# KiCad board digital.kicad_pcb (continued)
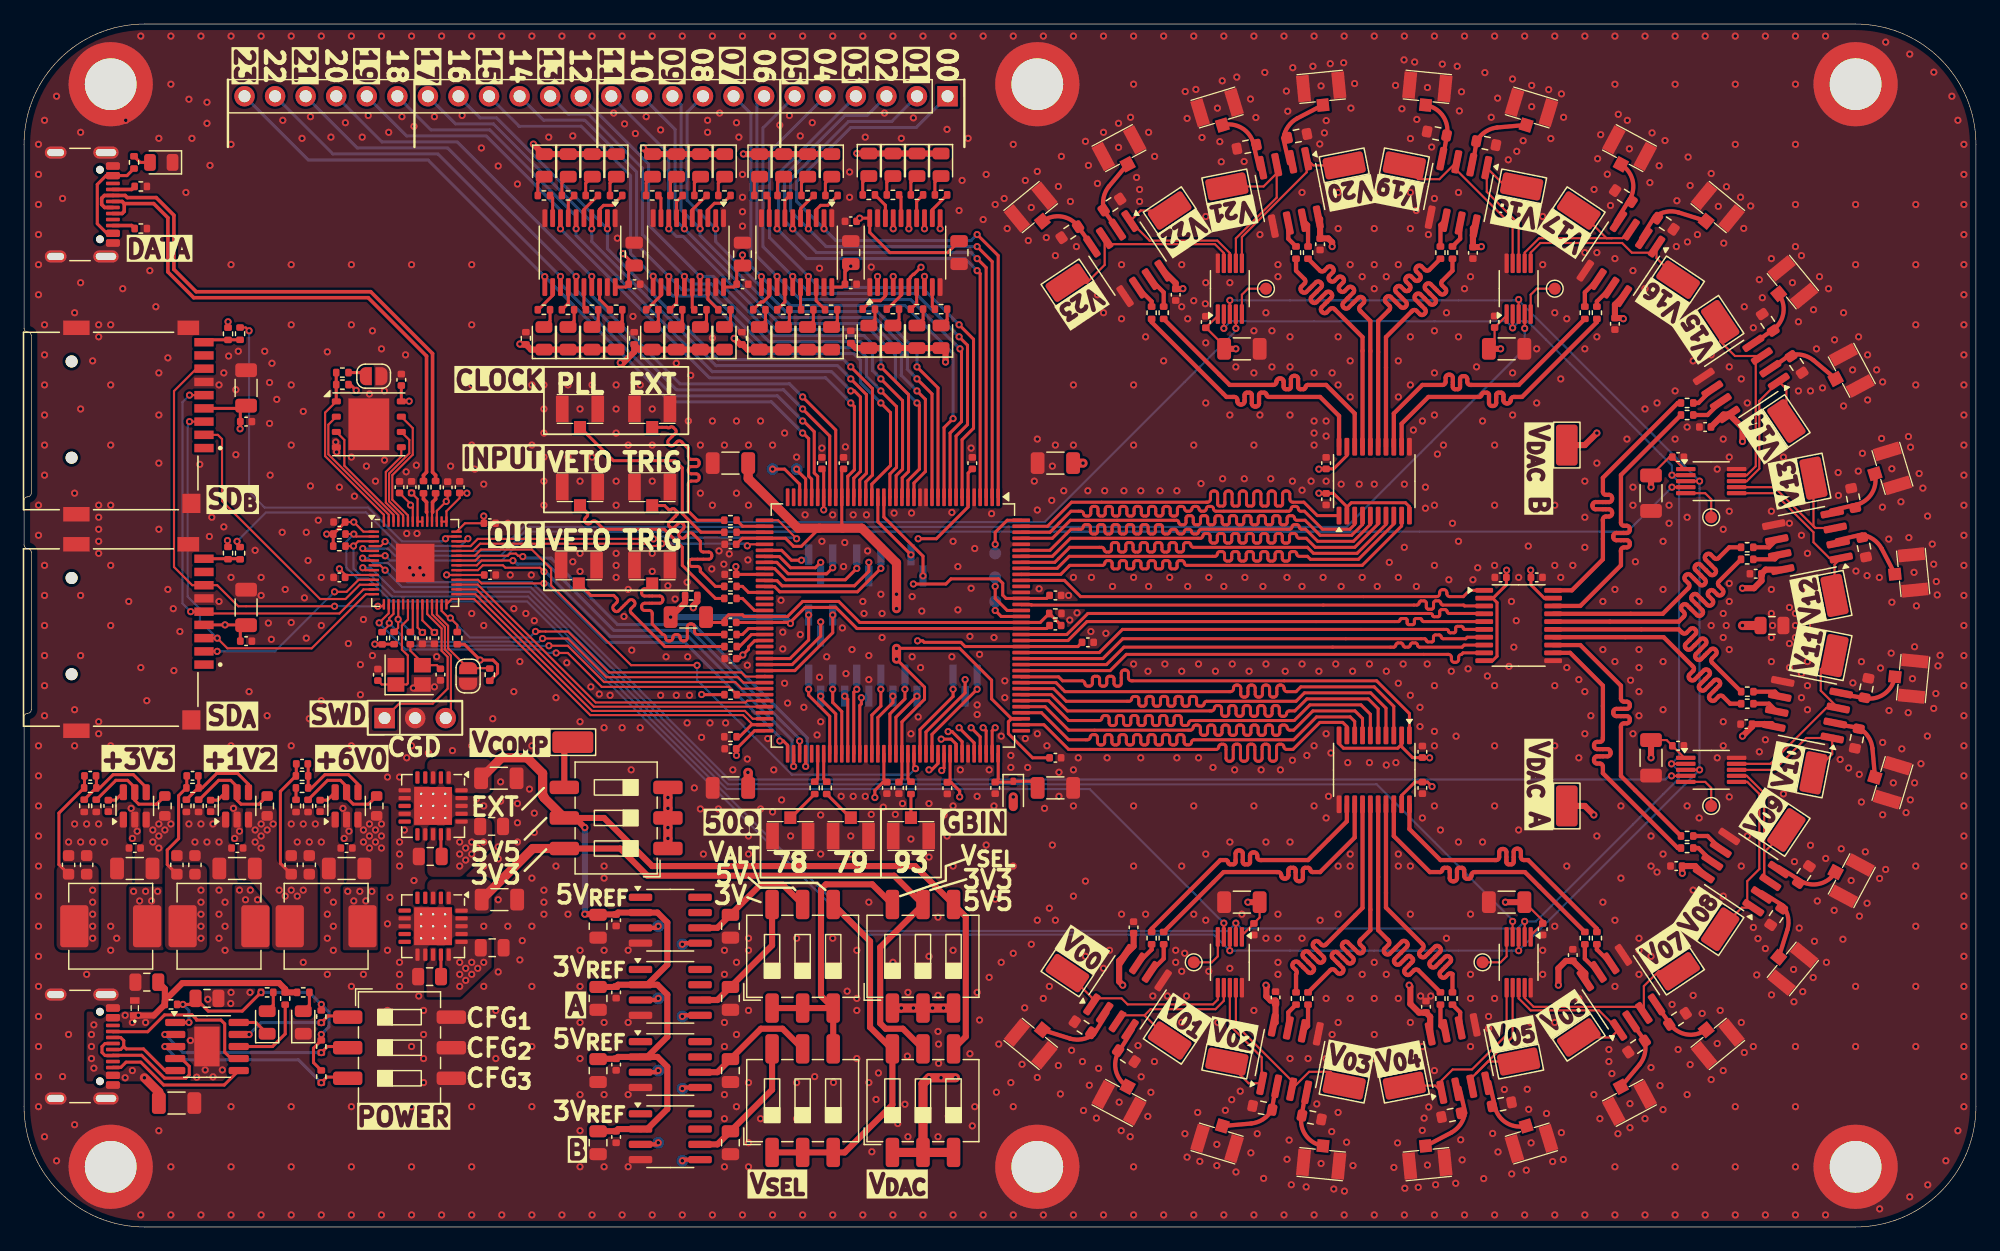
[diagram p0: board, top side]
## Routing (per net, layer and track width the routed paths; a pad name or vN(x,y) marks a point on that pad's centre or on a via; arc(x,y) is an arc through that point) (continued)
Net-(U29-B3): length 25
  Top w0.356: U29.17 136.18,50.97 138.34,53.14 arc(138.41,53.31) 138.34,53.48 138.03,53.78 arc(137.96,53.95) 138.03,54.12 138.12,54.21 arc(138.29,54.28) 138.46,54.21 139.27,53.4 arc(139.44,53.33) 139.61,53.4 139.69,53.48 arc(139.76,53.65) 139.69,53.82 138.88,54.63 arc(138.81,54.8) 138.88,54.97 138.97,55.06 arc(139.13,55.13) 139.3,55.06 140.11,54.25 arc(140.28,54.18) 140.45,54.25 140.54,54.33 arc(140.61,54.5) 140.54,54.67 139.73,55.48 arc(139.66,55.65) 139.73,55.82 139.81,55.9 arc(139.98,55.98) 140.15,55.9 140.46,55.6 arc(140.63,55.53) 140.8,55.6 141.7,56.5 R109.2
Net-(U29-B4): length 25
  Top w0.356: R110.2 140.83,53.65 arc(140.76,53.48) 140.83,53.31 141.16,52.98 arc(141.23,52.81) 141.16,52.64 141.07,52.55 arc(140.9,52.48) 140.73,52.55 140.4,52.88 arc(140.23,52.95) 140.06,52.88 139.98,52.8 arc(139.91,52.63) 139.98,52.46 140.31,52.13 arc(140.38,51.96) 140.31,51.79 140.22,51.7 arc(140.05,51.63) 139.88,51.7 139.02,52.56 arc(138.85,52.63) 138.68,52.56 138.6,52.48 arc(138.53,52.31) 138.6,52.14 139.46,51.28 arc(139.53,51.11) 139.46,50.94 139.38,50.85 arc(139.21,50.78) 139.04,50.85 138.18,51.71 arc(138.01,51.78) 137.84,51.71 137.75,51.63 arc(137.68,51.46) 137.75,51.29 137.94,51.1 arc(138.01,50.93) 137.94,50.76 137.5,50.33 U29.16
Net-(U29-B5): length 25
  Top w0.356: U29.15 137.51,49.67 137.81,49.38 arc(137.98,49.31) 138.15,49.38 138.48,49.71 arc(138.65,49.78) 138.82,49.71 138.9,49.63 arc(138.97,49.46) 138.9,49.29 138.08,48.47 arc(138.01,48.3) 138.08,48.13 138.16,48.04 arc(138.33,47.97) 138.5,48.04 139.32,48.86 arc(139.49,48.94) 139.66,48.86 139.75,48.78 arc(139.82,48.61) 139.75,48.44 138.93,47.62 arc(138.86,47.45) 138.93,47.28 139.01,47.19 arc(139.18,47.12) 139.35,47.19 140.17,48.02 arc(140.34,48.09) 140.51,48.02 140.6,47.93 arc(140.67,47.76) 140.6,47.59 140.27,47.26 arc(140.2,47.09) 140.27,46.92 R111.2
Net-(U29-B6): length 25
  Top w0.356: U29.14 136.25,49.03 138.71,46.57 arc(138.78,46.4) 138.71,46.23 138.39,45.91 arc(138.32,45.74) 138.39,45.57 138.47,45.49 arc(138.64,45.42) 138.81,45.49 139.61,46.29 arc(139.78,46.36) 139.95,46.29 140.04,46.21 arc(140.11,46.04) 140.04,45.87 139.23,45.06 arc(139.16,44.89) 139.23,44.72 139.32,44.64 arc(139.49,44.57) 139.66,44.64 140.46,45.44 arc(140.63,45.51) 140.8,45.44 140.88,45.36 arc(140.96,45.19) 140.88,45.02 140.08,44.22 arc(140.01,44.05) 140.08,43.88 140.17,43.79 arc(140.34,43.72) 140.51,43.79 140.83,44.11 arc(141,44.18) 141.17,44.11 141.78,43.5 R112.2
Net-(U29-B7): length 25
  Top w0.356: U29.13 129.32,48.38 132.7,45 132.7,43.91 arc(132.77,43.74) 132.94,43.67 133.2,43.67 arc(133.37,43.6) 133.44,43.43 133.44,43.31 arc(133.37,43.14) 133.2,43.07 132.3,43.07 arc(132.13,43) 132.06,42.83 132.06,42.71 arc(132.13,42.54) 132.3,42.47 133.2,42.47 arc(133.37,42.4) 133.44,42.23 133.44,42.11 arc(133.37,41.94) 133.2,41.87 132.94,41.87 arc(132.77,41.8) 132.7,41.63 132.7,37.49 R113.2
Net-(U29-B8): length 25
  Top w0.356: U29.12 128.48,47.72 131.2,45 131.2,40.56 arc(131.13,40.39) 130.96,40.32 130.7,40.32 arc(130.54,40.25) 130.46,40.08 130.46,39.96 arc(130.54,39.79) 130.7,39.72 131.6,39.72 arc(131.76,39.65) 131.84,39.48 131.84,39.36 arc(131.76,39.19) 131.6,39.12 130.7,39.12 arc(130.54,39.05) 130.46,38.88 130.46,38.76 arc(130.54,38.59) 130.7,38.52 130.96,38.52 arc(131.13,38.45) 131.2,38.28 131.2,37.72 137.42,31.5 R116.2
Net-(U34-B1): length 25
  Top w0.356: U34.20 109.27,67.42 107.7,69 103.43,69 arc(103.3,69.05) 103.25,69.18 arc(103.2,69.3) 103.07,69.36 102.8,69.36 arc(102.68,69.3) 102.63,69.18 102.63,68.45 arc(102.56,68.28) 102.39,68.21 102.27,68.21 arc(102.1,68.28) 102.03,68.45 102.03,69.18 arc(101.97,69.3) 101.85,69.36 101.6,69.36 arc(101.48,69.3) 101.43,69.18 101.43,68.62 arc(101.36,68.45) 101.19,68.38 101.07,68.38 arc(100.9,68.45) 100.83,68.62 100.83,68.76 arc(100.76,68.93) 100.59,69 99.92,69 93.7,75.22 R121.2
Net-(U34-B2): length 25
  Top w0.356: U34.18 110.58,67.62 108.2,70 106.67,70 arc(106.55,69.95) 106.5,69.82 arc(106.44,69.7) 106.32,69.64 106.05,69.64 arc(105.93,69.7) 105.87,69.82 105.87,70.51 arc(105.8,70.68) 105.63,70.75 105.51,70.75 arc(105.34,70.68) 105.27,70.51 105.27,69.82 arc(105.22,69.7) 105.1,69.64 104.85,69.64 arc(104.73,69.7) 104.67,69.82 104.67,70.3 arc(104.6,70.47) 104.43,70.54 104.31,70.54 arc(104.14,70.47) 104.07,70.3 104.07,70.24 arc(104,70.07) 103.83,70 100.19,70 R122.2
Net-(U34-B3): length 25
  Top w0.356: U34.17 111.23,73.97 108.88,76.32 arc(108.71,76.39) 108.54,76.32 108.25,76.03 arc(108.08,75.96) 107.91,76.03 107.82,76.11 arc(107.75,76.28) 107.82,76.45 108.64,77.27 arc(108.71,77.44) 108.64,77.61 108.56,77.69 arc(108.39,77.76) 108.22,77.69 107.4,76.88 arc(107.23,76.81) 107.06,76.88 106.98,76.96 arc(106.91,77.13) 106.98,77.3 107.79,78.12 arc(107.86,78.29) 107.79,78.46 107.71,78.54 arc(107.54,78.61) 107.37,78.54 106.55,77.73 arc(106.38,77.66) 106.21,77.73 106.13,77.81 arc(106.06,77.98) 106.13,78.15 106.42,78.44 arc(106.49,78.61) 106.42,78.78 105.7,79.5 R123.2
Net-(U34-B4): length 25
  Top w0.356: U34.16 111.88,75.31 111.01,76.18 arc(110.94,76.35) 111.01,76.52 111.32,76.83 arc(111.39,77) 111.32,77.17 111.23,77.26 arc(111.06,77.33) 110.89,77.26 110.04,76.4 arc(109.87,76.33) 109.7,76.4 109.62,76.49 arc(109.55,76.66) 109.62,76.83 110.47,77.68 arc(110.54,77.85) 110.47,78.02 110.38,78.1 arc(110.21,78.17) 110.04,78.1 109.74,77.79 arc(109.57,77.72) 109.4,77.79 109.31,77.88 arc(109.24,78.05) 109.31,78.22 109.62,78.53 arc(109.69,78.7) 109.62,78.87 109.54,78.95 arc(109.37,79.02) 109.2,78.95 108.89,78.64 arc(108.72,78.57) 108.55,78.64 108.46,78.73 arc(108.39,78.9) 108.46,79.07 108.77,79.38 arc(108.84,79.55) 108.77,79.72 108.69,79.8 arc(108.52,79.87) 108.35,79.8 108.04,79.49 arc(107.87,79.42) 107.7,79.49 R126.2
Net-(U34-B5): length 25
  Top w0.356: R127.2 116.77,79.56 arc(116.6,79.49) 116.43,79.56 116.12,79.87 arc(115.95,79.94) 115.78,79.87 115.69,79.78 arc(115.62,79.61) 115.69,79.44 116,79.13 arc(116.07,78.96) 116,78.79 115.92,78.71 arc(115.75,78.64) 115.58,78.71 115.27,79.02 arc(115.1,79.09) 114.93,79.02 114.84,78.93 arc(114.77,78.76) 114.84,78.59 115.15,78.28 arc(115.22,78.11) 115.15,77.94 115.07,77.86 arc(114.9,77.79) 114.73,77.86 114.42,78.17 arc(114.25,78.24) 114.08,78.17 114,78.08 arc(113.93,77.91) 114,77.74 114.85,76.89 arc(114.92,76.72) 114.85,76.55 114.76,76.47 arc(114.59,76.4) 114.42,76.47 113.57,77.32 arc(113.4,77.39) 113.23,77.32 113.15,77.23 arc(113.08,77.06) 113.15,76.9 113.46,76.59 arc(113.53,76.42) 113.46,76.25 112.52,75.31 U34.15
Net-(U34-B6): length 25
  Top w0.356: R128.2 118.7,79.5 117.83,78.63 arc(117.76,78.46) 117.83,78.29 118.12,78 arc(118.19,77.83) 118.12,77.66 118.03,77.57 arc(117.86,77.5) 117.69,77.57 116.88,78.39 arc(116.71,78.46) 116.54,78.39 116.45,78.3 arc(116.38,78.13) 116.45,77.96 117.27,77.15 arc(117.34,76.98) 117.27,76.81 117.19,76.72 arc(117.02,76.65) 116.85,76.72 116.03,77.54 arc(115.86,77.61) 115.69,77.54 115.61,77.46 arc(115.54,77.29) 115.61,77.12 116.42,76.3 arc(116.49,76.13) 116.42,75.96 116.34,75.88 arc(116.17,75.81) 116,75.88 115.71,76.17 arc(115.54,76.24) 115.37,76.17 113.17,73.97 U34.14
Net-(U34-B7): length 25
  Top w0.356: R129.2 124.21,70 120.17,70 arc(120,70.07) 119.93,70.24 119.93,70.49 arc(119.86,70.66) 119.69,70.73 119.57,70.73 arc(119.4,70.66) 119.33,70.49 119.33,69.82 arc(119.28,69.7) 119.15,69.64 118.91,69.64 arc(118.78,69.7) 118.73,69.82 118.73,70.61 arc(118.66,70.78) 118.49,70.85 118.37,70.85 arc(118.2,70.78) 118.13,70.61 118.13,70.24 arc(118.06,70.07) 117.89,70 116.2,70 113.83,67.62 U34.13
Net-(U34-B8): length 25
  Top w0.356: R130.2 130.7,75.22 124.48,69 123.78,69 arc(123.61,68.93) 123.54,68.76 123.54,68.71 arc(123.47,68.54) 123.3,68.47 123.18,68.47 arc(123.01,68.54) 122.94,68.71 122.94,69.18 arc(122.88,69.3) 122.76,69.36 122.51,69.36 arc(122.39,69.3) 122.34,69.18 122.34,68.49 arc(122.27,68.32) 122.1,68.25 121.98,68.25 arc(121.81,68.32) 121.74,68.49 121.74,69.18 arc(121.68,69.3) 121.56,69.36 121.29,69.36 arc(121.17,69.3) 121.11,69.18 arc(121.06,69.05) 120.94,69 116.7,69 114.48,66.78 U34.12
/comparators/IN0: length 6.6
  Top w0.356: 84.61,16.38 86.92,15.66 arc(87.94,15.61) 88.87,16.01 ; 88.89,15.99 90.03,17.82
/comparators/IN1: length 5.5
  Top w0.356: 90.99,14.59 92.13,16.41 ; 91.72,11.66 arc(90.73,12.98) 90.98,14.6
/comparators/IN2: length 6.6
  Top w0.356: 99.58,8.39 101.98,8.6 arc(102.95,8.94) 103.66,9.67 ; 103.68,9.66 104.03,11.78
/comparators/IN3: length 5.5
  Top w0.356: 106.15,9.16 106.51,11.29 ; 107.95,6.74 arc(106.54,7.58) 106.14,9.18
/comparators/IN4: length 6.6
  Top w0.356: 116.46,6.72 118.6,7.84 arc(119.36,8.52) 119.74,9.47 ; 119.77,9.47 119.28,11.56
/comparators/IN5: length 5.5
  Top w0.356: 122.24,9.96 121.76,12.05 ; 124.83,8.41 arc(123.2,8.64) 122.23,9.97
/comparators/IN6: length 6.6
  Top w0.356: 132.7,11.65 134.25,13.5 arc(134.69,14.42) 134.67,15.44 ; 134.7,15.45 133.45,17.2
/comparators/IN7: length 5.5
  Top w0.356: 136.8,16.85 135.55,18.6 ; 139.78,16.41 arc(138.19,16) 136.78,16.85
/comparators/IN8: length 6.6
  Top w0.356: 146.19,26.67 arc(146.59,25.74) 146.54,24.72 145.82,22.41 ; 146.21,26.69 144.38,27.83
/comparators/IN9: length 5.5
  Top w0.356: 147.61,28.79 145.79,29.93 ; 150.54,29.52 arc(149.22,28.53) 147.6,28.78
/comparators/IN10: length 6.6
  Top w0.356: 152.53,41.46 arc(153.26,40.75) 153.6,39.78 153.81,37.38 ; 152.54,41.48 150.42,41.83
/comparators/IN11: length 5.5
  Top w0.356: 153.04,43.95 150.91,44.31 ; 155.46,45.75 arc(154.62,44.34) 153.02,43.94
/comparators/IN12: length 6.6
  Top w0.356: 152.73,57.54 arc(153.68,57.16) 154.36,56.4 155.48,54.26 ; 152.73,57.57 150.64,57.08
/comparators/IN13: length 5.5
  Top w0.356: 152.24,60.04 150.15,59.56 ; 153.79,62.63 arc(153.56,61) 152.23,60.03
/comparators/IN14: length 6.6
  Top w0.356: 146.75,72.5 145,71.25 ; 146.76,72.47 arc(147.78,72.49) 148.7,72.05 150.55,70.5
/comparators/IN15: length 5.5
  Top w0.356: 145.35,74.6 143.6,73.35 ; 145.79,77.58 arc(146.2,75.99) 145.35,74.58
/comparators/IN16: length 6.6
  Top w0.356: 135.51,84.01 134.37,82.18 ; 135.53,83.99 arc(136.46,84.39) 137.48,84.34 139.79,83.62
/comparators/IN17: length 5.5
  Top w0.356: 132.68,88.34 arc(133.67,87.02) 133.42,85.4 ; 133.41,85.41 132.27,83.59
/comparators/IN18: length 6.6
  Top w0.356: 120.72,90.34 120.37,88.22 ; 120.74,90.33 arc(121.45,91.06) 122.42,91.4 124.82,91.61
/comparators/IN19: length 5.5
  Top w0.356: 116.45,93.26 arc(117.86,92.42) 118.26,90.82 ; 118.25,90.84 117.89,88.71
/comparators/IN20: length 6.6
  Top w0.356: 104.63,90.53 105.12,88.44 ; 104.66,90.53 arc(105.04,91.48) 105.8,92.16 107.94,93.28
/comparators/IN21: length 5.5
  Top w0.356: 99.57,91.59 arc(101.2,91.36) 102.17,90.03 ; 102.16,90.04 102.64,87.95
/comparators/IN23: length 5.5
  Top w0.356: 84.62,83.59 arc(86.21,84) 87.62,83.15 ; 87.6,83.15 88.85,81.4

## Copper pours and planes (outline as drawn; the poured copper is in the pictures)
+1V2 on Top: 15.2,30.1 11.7,30.1 11.7,23 15.2,23
+1V2 on In2.Cu: 15.2,30 15.2,23 11.8,23 11.8,30
+3V3 on Top: 2.7,23 6.2,23 6.2,30.1 2.7,30.1
+3V3 on In2.Cu: -2.8,100 162.2,100 162.2,0 -2.8,0
+3V3_A on Top: 33.5,28.9 33.5,26.05 38.85,26.05 38.85,28.9
+5V5_A on Top: 33.5,38.9 33.5,36.05 38.85,36.05 38.85,38.9
+6V on Top: 9.2,35 12.7,35 12.7,28.5 9.2,28.5
+6V on Top: 17.7,35 21,35 21,30.1 24.4,30.1 24.4,23 20.6,23 20.6,26.7 18.8,28.8 17.7,28.8
+6V on Top: 33.45,23.95 38.85,23.95 38.85,21.57 36.25,19.1 33.45,19.1
+6V on Top: 33.5,33.95 38.9,33.95 38.9,31.58 36.3,29.1 33.5,29.1
+6V on In2.Cu: 8.35,38.5 40.7,38.5 40.7,18.5 32.7,18.5 32.7,26.5 8.35,26.5
+20V on Top: 5.2,17.9 11.3,17.9 11.3,12.1 5.2,12.1
+20V on Top: 26.8,35 30.3,35 30.3,28.5 26.8,28.5
+20V on In2.Cu: 27.7,35.35 32.4,35.35 32.4,11.35 5.2,11.35 5.2,18.65 21.53,18.65 27.7,24.94
GND on Top, Bottom, In1.Cu: -2.8,100 162.2,100 162.2,0 -2.8,0
GND on In2.Cu: 80.7,100 80.7,87 106.2,63 117.2,63 125.2,55 125.2,45 113.2,33 90.2,33 78.2,21 64.95,21 64.95,0 162.2,0 162.2,100
Net-(U5-SW) on Top: 17.2,34.25 15.2,34.25 15.2,35.35 18.2,35.35 18.2,32 17.2,32
Net-(U5-SW) on Top: 20.4,28.4 17.5,28.4 17.5,23.1 20.4,23.1
Net-(U5-SW) on In2.Cu: 16.85,35.35 16.85,26.5 20.1,26.5 20.1,28.5 18.6,32 18.6,35.35
Net-(U8-SW) on Top: 8.7,34.25 6.7,34.25 6.7,35.35 9.7,35.35 9.7,32 8.7,32
Net-(U8-SW) on Top: 11.6,28.3 8.7,28.3 8.7,23 11.6,23
Net-(U8-SW) on In2.Cu: 8.35,35.35 8.35,26.5 11.6,26.5 11.6,28.5 10.1,32 10.1,35.35
Net-(U9-SW) on Top: 29.4,28.3 26.5,28.3 26.5,23 29.4,23
Net-(U9-SW) on Top: 26.3,34.25 24.3,34.25 24.3,35.35 27.3,35.35 27.3,32 26.3,32
Net-(U9-SW) on In2.Cu: 25.95,35.35 25.95,26.5 29.2,26.5 29.2,28.5 27.7,32 27.7,35.35

## Text on the board
B.Silkscreen: ALEX X / LEANDRO PM / DAWSON COLLEGE / ENRICHED P&E / 2025/07/14 | 23 | 22 | 21 | 20 | 19 | SWCLK | 18 | GND | 17 | SWD | 16 | 15 | 14 | 13 | 12 | 11 | 10 | TEMP | 09 | TRIM | 08 | 07 | 06 | 34 | 05 | 33 | 42 | 80 | 44 | 81 | 04 | 43 | 82 | 83 | 03 | 45 | 84 | 60 | 47 | 85 | 61 | 48 | 62 | 87 | 02 | 88 | 90 | 91 | 01 | 00 | 95 | 96 | 128 | 144 | 97 | 129
F.Silkscreen: CGD | EXT | 5V5 | 3V3 | CFG_{1} | CFG_{2} | CFG_{3} | 3V_{REF} | 5V_{REF} | 3V | 5V | V_{ALT} | V_{SEL} | +3V3 | DATA | +1V2 | SD_{B} | SD_{A} | +6V0 | POWER | CLOCK | INPUT | V_{COMP} | OUT | A | B | 50Ω | V_{DAC} | GBIN | VETO | PLL | TRIG | 78 | 79 | 93 | SWD | V_{04} | V_{05} | V_{06} | V_{07} | V_{08} | V_{09} | V_{10} | V_{11} | V_{13} | V_{12} | V_{15} | V_{14} | V_{17} | V_{16} | V_{19} | V_{18} | V_{21} | V_{20} | V_{23} | V_{22} | V_{DAC} B | V_{DAC} A | 23 | 22 | 21 | 20 | 19 | 18 | 17 | 16 | 15 | 14 | 13 | 12 | 11 | 10 | 09 | 08 | 07 | 06 | 05 | 04 | 03 | 02 | 01 | 00 | V_{00} | V_{01} | V_{02} | V_{03}
